# Allegro board RK3576_TEMPLATE_LP4XD200P132SD6_24X34_2133MHz_H1R0_V11_20240529YWQ.brd (continued)
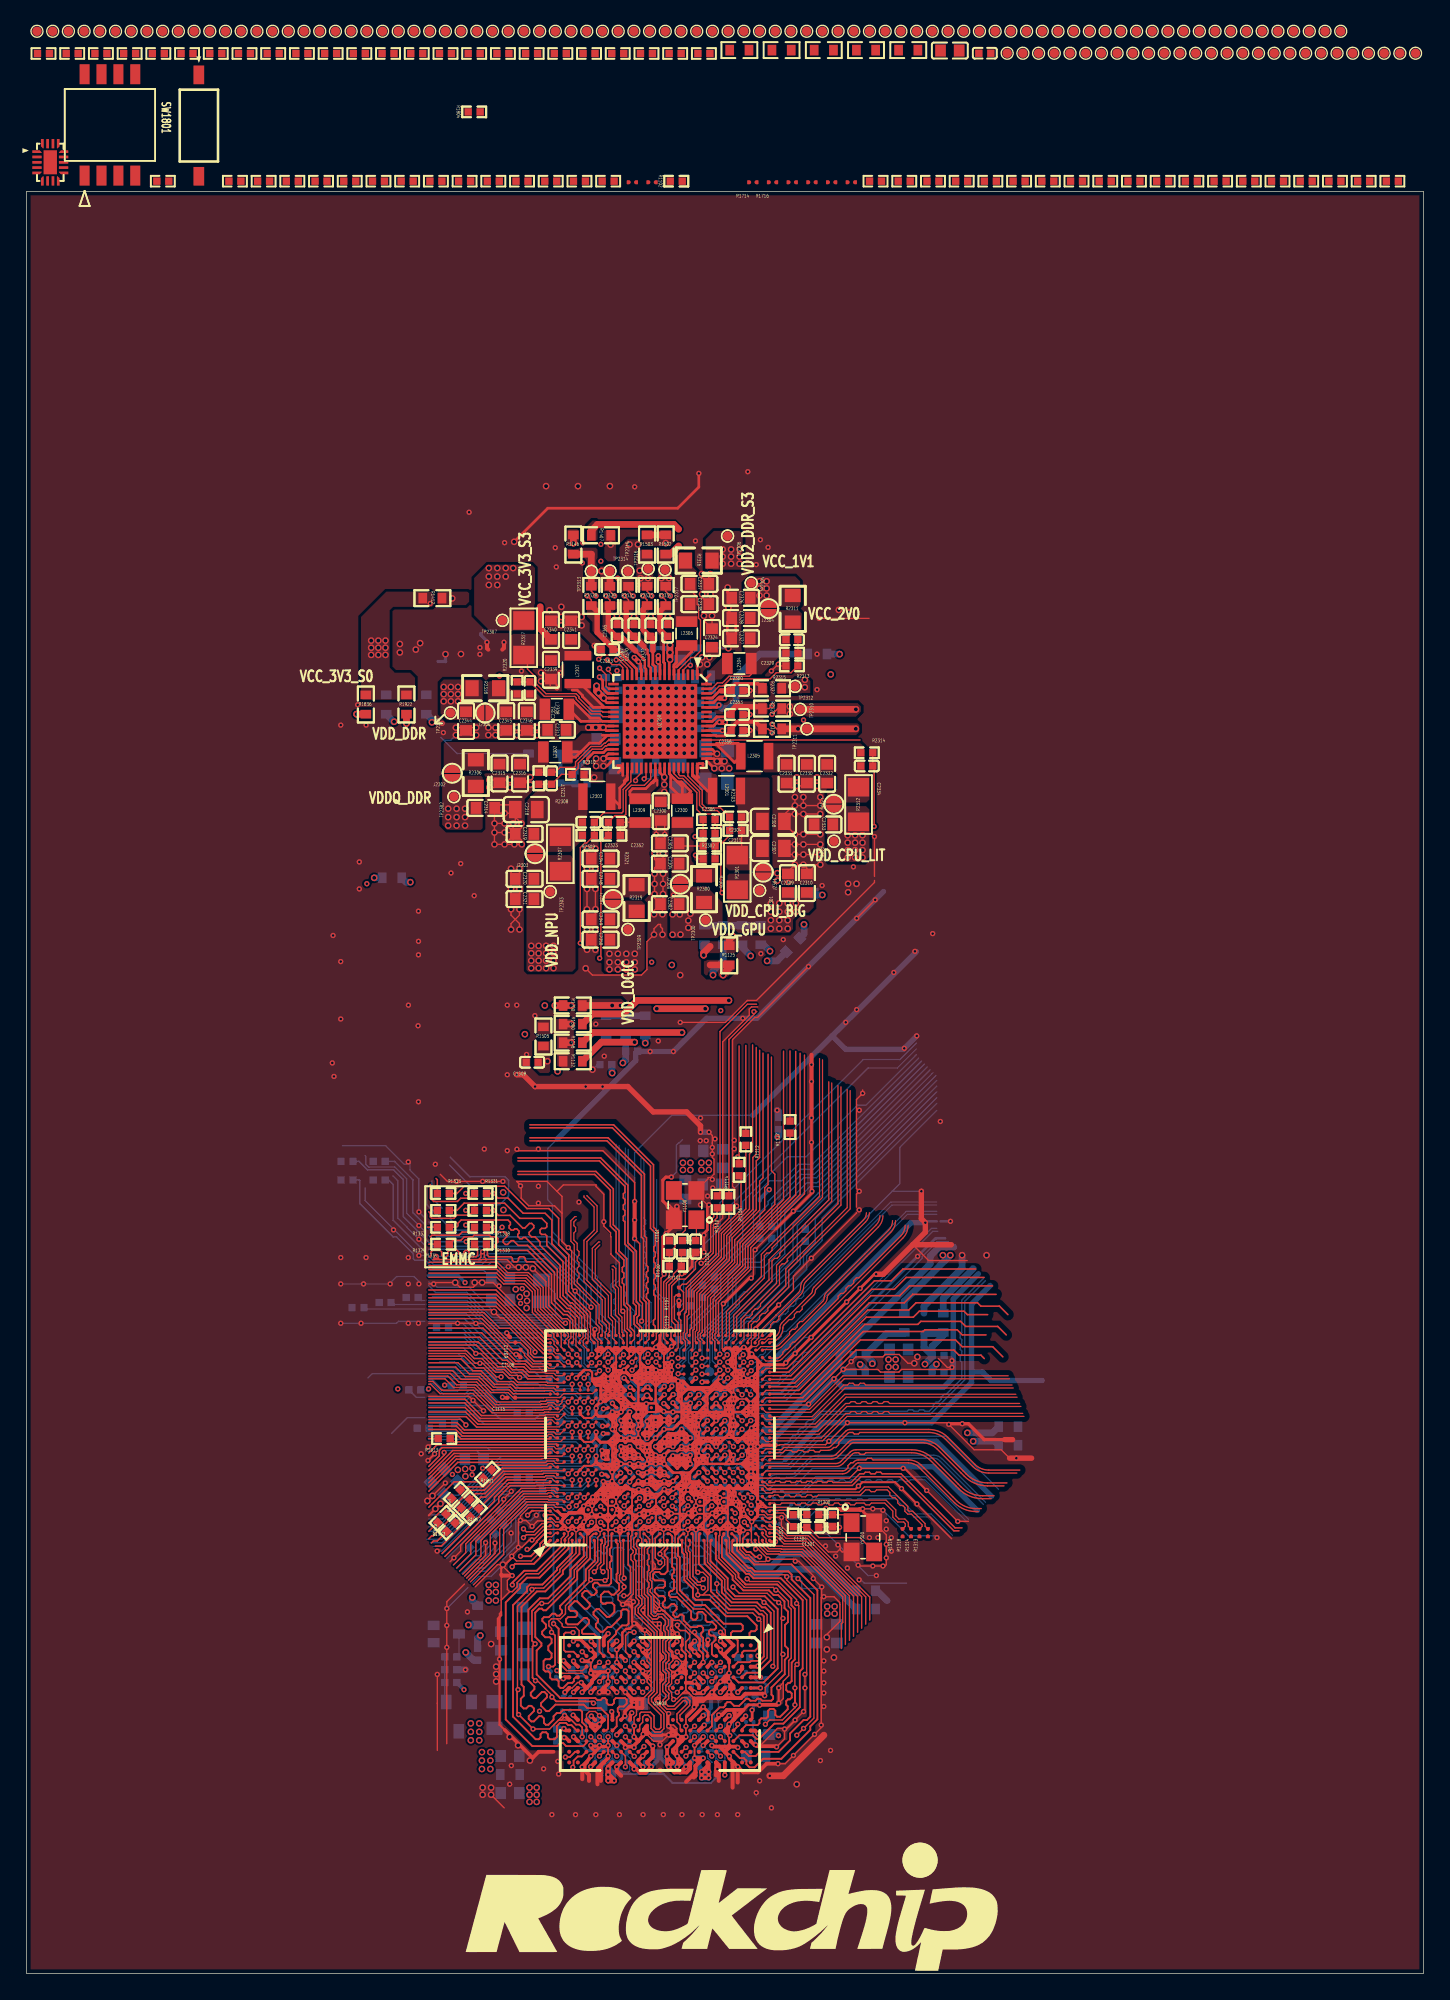
[diagram p0: board, top side]
## Routing (per net, layer and track width the routed paths; a pad name or vN(x,y) marks a point on that pad's centre or on a via; arc(x,y) is an arc through that point)
GND: length 3252.4
  TOP w0.089: v1(53.39,57.7) 53.39,57.75 53.23,57.9 53.23,59.04 53.09,59.18 53.09,60.2 ; U1000.G29 42.67,47.79 42.96,47.51 42.96,47.12 43.02,47.05 ; U1000.2P12 U1000.2R12 ; v1(41.33,33.36) 41.31,33.34 41.31,32 ; U3800.N4 46.65,22.58 46.81,22.74 ; U1000.B5 39.75,34.76 39.49,35.03 39.22,35.03 39.18,34.98 ; 48.51,24.26 48.51,24.1 ; 48.51,24.26 48.6,24.17 U3800.K2 ; 48.51,24.26 48.34,24.43 ; U1000.AJ29 54.77,47.86 54.49,47.58 54.49,47.13 54.87,47.13 55.06,47.31 55.06,47.52 55.21,47.68 55.5,47.68 55.78,47.96 U1000.AL29 ; U1000.1D1 42.13,32.96 42.13,32 ; 52.31,48.39 52.31,46.98 U1000.1AA24 ; 43.91,54.08 43.94,54.11 43.94,55.37 43.91,55.4 43.91,55.67 ; v1(56.76,34.28) 56.76,34.28 56.76,33.63 57.15,33.24 ; 45.8,45.03 45.25,45.03 ; v1(43.13,33.36) 43.13,32.97 42.94,32.78 42.94,32 ; v1(62.87,34.92) v1(63.63,34.92) 63.64,34.94 64.27,34.94 64.28,34.92 ; v1(51.79,56.22) 51.79,56.23 52.34,56.79 52.34,59.31 ; 51.69,60.09 51.44,59.84 51.24,59.84 51.24,59.74 Y1100.2 50.8,58.43 50.8,58.17 51.19,57.78 v1(51.31,57.78) ; U1000.2T11 U1000.2U11 ; 55.2,17.16 55.12,17.08 ; 38.23,46.9 v1(38.23,46.71) ; 51.56,62.48 v1(51.56,62.1) ; U1000.2J5 U1000.2H5
  TOP w0.102: v1(36.98,32.03) 36.98,33.9 v1(37.13,34.06) ; v1(36.98,32.03) 37.24,32.03 37.79,32.58 v1(38,32.58) 38.12,32.58 38.92,33.38 40.15,33.38 ; v1(36.98,32.03) 36.98,31.91 36.6,31.53 36.6,31.49 v1(36.48,31.36) 36.83,31.01 37.95,31.01 38.96,32.03 v1(38.96,32.16) ; 47.31,26.09 47.63,25.77 47.63,25.53 ; 47.31,26.09 46.99,26.41 ; 47.31,26.09 47.4,26.09 v1(47.58,26.28) ; v2(57.77,87.8) 57.65,87.8 56.98,87.14 C2308.2 ; v2(57.77,87.8) v2(57.77,88.44) ; v2(57.77,87.8) v2(58.41,87.8) ; v1(42.42,29.59) 42.29,29.72 42.29,30.29 42.94,30.95 42.94,32 ; v1(42.42,29.59) 43.44,29.59 v1(43.49,29.54) 43.56,29.54 43.73,29.72 43.73,30.3 43.63,30.41 43.63,32.08 43.73,32.18 43.73,33.23 ; v1(42.42,29.59) 42.42,29.54 40.52,27.64 40.52,27.04 40.14,26.66 39.88,26.66 ; v2(32.28,93.66) 32.84,93.66 C2344.2 ; v2(36.42,81.53) 36.42,81.09 C2321.2 37.06,81.09 v2(37.06,81.53) ; v1(53.12,29.05) 53.59,28.58 55.69,28.58 56.23,28.04 56.4,28.04 56.55,27.88 v1(56.55,27.88) 56.77,27.66 56.77,26.8 v1(56.87,26.69) 56.77,26.59 56.77,24.1 v1(56.87,23.99) 56.79,23.91 56.79,22.75 55.54,21.5 55.54,21.07 55.5,21.03 v1(55.5,20.88) ; v2(38.38,93.66) 37.82,93.66 C2346.2 ; 56.55,20.27 v1(56.55,20.32) 56.9,20.66 56.9,21.86 ; U1000.1H1 44.6,33.03 44.6,32.45 44.67,32.38 44.67,31.82 44.66,31.81 44.66,30.01 44.58,29.92 44.58,29.57 44.92,29.23 v1(44.92,29.06) ; C2348.2 42.14,81.97 v2(42.14,81.53) v2(42.14,80.01) 42.14,79.57 C2349.2 42.77,79.56 v2(42.77,80.01) v2(42.77,81.53) 42.77,81.98 C2348.2 ; C2348.2 42.14,82.61 v2(42.14,83.05) ; C2348.2 42.77,82.61 v2(42.77,83.05) ; C2344.2 33.39,93.1 v2(33.81,93.1) ; C2344.2 33.25,93.66 v2(33.81,93.66) ; C2344.2 32.69,93.1 v2(32.28,93.1) ; v1(56.39,17.03) 56.99,17.63 v1(56.99,18.37) 56.96,18.37 56.92,18.41 56.45,18.41 55.2,17.16 ; 46.25,32.11 46.1,32.26 46.25,32.41 ; 46.25,32.11 46.25,28.43 46.49,28.19 46.49,27.66 ; 46.25,32.11 46.25,32.15 ; C2339.2 39.37,97.26 ; C2339.2 38.95,97.79 v2(38.68,97.79) ; C2339.2 39.88,96.86 v1(39.88,96.65) ; 39.37,97.26 39.27,97.16 v2(38.68,97.16) ; 39.37,97.26 39.37,96.65 ; 47.52,20.66 47.43,20.57 47.24,20.57 ; 47.52,20.66 47.57,20.66 ; 47.52,20.66 47.52,20.21 ; U1000.1W1 51.2,33.03 51.2,30.91 52.5,29.61 52.5,28.78 53.14,28.14 55.2,28.14 v1(55.45,27.89) 55.56,27.78 55.65,27.78 56.2,27.23 56.2,23.19 56.11,23.1 v1(56.11,23.09) ; v2(37.87,89.93) 37.46,89.52 ; 37.46,89.52 C2316.2 ; 37.46,89.52 37.72,89.52 v2(37.87,89.37) ; C2330.2 58.46,89.28 v2(57.91,89.28) 57.78,89.15 57.49,89.15 C2331.2 ; v2(42.14,76.96) 42.14,77.4 C2350.2 ; 31.9,53.67 v1(32.13,53.91) 32.37,53.67 ; 31.9,53.67 31.04,53.67 ; 31.9,53.67 32.37,53.67 ; 31.04,53.67 30.57,53.67 v1(30.8,53.91) 31.04,53.67 ; 61.17,31.92 61.17,32.11 61.07,32.22 v1(61,32.22) ; 61.17,31.92 60.94,31.69 60.29,31.69 58.87,33.11 57.27,33.11 57.15,33.24 ; 61.17,31.92 61.17,31.83 61.32,31.69 Y1300.2 ; v1(47.58,27.38) 47.58,27.65 ; v1(47.58,27.38) 47.17,27.79 ; v1(47.58,27.38) 47.53,27.38 ; 47.58,27.65 47.17,28.07 ; 47.58,27.65 47.58,27.99 47.17,28.41 ; 43.73,33.23 43.85,33.35 ; 43.73,33.23 43.61,33.36 ; 43.85,33.35 43.84,33.35 43.73,33.47 43.61,33.36 43.61,33.36 ; 43.85,33.35 44.32,33.35 v1(44.33,33.36) ; 47.63,25.53 47.75,25.53 47.81,25.59 ; 47.63,25.53 47.63,25.4 ; 34.59,53.67 36.12,53.67 36.7,53.09 v2(37,53.09) v2(37.54,53.09) ; 34.59,53.67 34.42,53.85 34.42,54.13 v1(34.29,54.25) 34.16,54.13 34.16,53.85 33.99,53.67 ; 34.59,53.67 33.99,53.67 ; 50.25,40.56 50.25,39.96 ; v1(37.13,34.06) 37.13,34.39 37.76,35.02 38.7,35.02 38.73,34.98 39.18,34.98 ; v1(37.13,34.06) 37.56,34.06 v1(38,33.61) 38.01,33.61 38.31,33.91 38.31,33.92 38.42,34.02 39.01,34.02 39.12,34.13 39.12,34.13 39.13,34.13 39.3,34.13 U1000.A4 39.5,34.21 39.77,33.93 40.15,33.93 ; v1(44.83,27.74) 45.03,27.94 ; 45.03,27.94 45.44,28.35 ; 45.03,27.94 v1(45.63,27.94) 45.44,28.12 45.44,28.35 ; 48.6,23.67 48.74,23.67 49.01,23.67 49.01,23.67 ; 48.6,23.67 48.6,23.53 48.3,23.22 48.3,22.92 48.5,22.71 ; 48.6,23.67 U3800.K2 ; 46.25,32.41 46.25,32.67 46.13,32.8 46.13,33.36 46.1,33.33 45.63,33.33 45.52,33.22 ; 46.25,32.41 46.25,32.36 ; 55.05,35.03 57.38,35.03 57.5,34.91 60.06,34.91 v1(60.11,34.96) ; C2350.2 42.14,78.04 v2(42.14,78.48) ; C2350.2 42.77,78.04 v2(42.77,78.48) ; C2350.2 42.77,77.41 v2(42.77,76.96) ; v1(42.52,35.16) 41.93,35.16 ; 49.01,23.67 48.91,23.77 ; 49.01,23.67 49.23,23.45 ; v1(48.92,25.52) 48.78,25.52 ; v1(48.92,25.52) 48.57,25.87 ; v1(48.92,25.52) 48.47,25.06 ; 48.78,25.52 48.72,25.52 ; 48.78,25.52 48.47,25.83 ; 47.36,20.37 47.47,20.47 v1(47.48,20.47) 47.48,20.5 47.53,20.55 47.53,20.58 47.58,20.63 ; 47.36,20.37 47.24,20.48 47.24,20.57 ; 47.36,20.37 47.52,20.21 ; v1(64.39,34.82) 64.28,34.92 ; C2319.2 37.21,86.14 v2(37.21,86.46) 36.75,86.93 ; C2319.2 36.58,85.84 v2(36.58,86.46) 36.75,86.63 36.75,86.93 ; C2319.2 36.73,85.67 ; C2319.2 37.21,85.21 37.21,84.91 v2(37.24,84.89) v2(36.68,84.89) 36.63,84.89 ; C2319.2 36.72,85.65 ; 47.75,22.45 47.65,22.45 47.63,22.48 ; 47.75,22.45 47.75,22.08 ; 47.75,22.45 47.87,22.45 ; v1(34.52,32.38) 34.52,31.44 32.94,29.86 ; v2(35.94,84.89) 36.63,84.89 ; v2(35.94,84.89) v2(35.18,84.89) v2(35.18,85.78) ; v2(35.94,84.89) 36.73,85.67 36.73,85.67 ; 36.63,84.89 36.58,84.94 36.58,85.5 36.72,85.65 ; 48.72,25.52 48.47,25.27 ; 48.72,25.52 48.48,25.52 48.47,25.53 ; 70.82,33.99 v1(70.01,33.99) 67.77,36.23 ; v2(35.94,87.22) 36.49,87.22 36.75,87.48 ; v2(35.94,87.22) 35.6,87.22 C2314.2 ; v2(35.94,87.22) v2(35.94,86.46) ; 36.74,79.25 36.42,79.57 v2(36.42,80.01) ; 36.74,79.25 37.06,79.56 v2(37.06,80.01) ; 36.74,79.25 37.06,78.93 v2(37.06,78.48) ; 36.74,79.25 36.42,78.93 v2(36.42,78.48) ; v1(41.71,21.87) 41.43,21.87 41.02,21.46 U3800.AB5 ; 42.13,32 42.13,31.27 41.18,30.33 41.18,29.78 39.21,27.81 v1(38.73,27.81) ; 49.55,39.31 48.95,39.31 ; v1(38.26,22.01) 38.4,22.01 39.5,20.91 v1(39.5,20.78) ; 47.81,25.4 47.81,25.59 ; 47.81,25.4 47.63,25.4 ; 47.81,25.4 47.81,25.33 47.63,25.15 ; 47.81,25.59 47.69,25.71 47.69,26.17 v1(47.58,26.28) ; 46.97,24.87 46.97,23.54 ; 46.48,26.92 46.48,27.17 46.35,27.3 ; 46.48,26.92 46.35,27.04 46.35,27.3 ; 46.48,26.92 46.99,26.41 ; v1(45.72,58.04) 45.72,59.46 43.33,61.86 36.98,61.86 v1(36.87,61.96) 36.86,61.98 36.86,61.95 ; 47.17,27.21 47.27,27.11 47.37,27.21 ; 47.17,27.21 47.37,27.21 ; 47.17,27.21 47.17,27.56 ; 45.52,33.22 45.52,32.95 45.44,32.87 45.44,31.96 45.61,31.78 45.61,31.64 45.44,31.47 45.44,31.11 45.61,30.94 45.61,28.52 45.44,28.35 ; 45.52,33.22 45.52,33.35 45.53,33.36 ; 35.69,27.18 35.69,28.07 ; 35.69,28.07 35.69,29.97 ; 35.69,28.07 36.32,28.7 36.15,28.87 36.15,29.55 v1(36.51,29.91) 36.16,30.26 35.83,30.59 ; 63.75,82.17 63.75,82.02 54.88,73.15 54.2,73.15 52.54,71.5 v1(49.15,71.5) ; v2(38.38,93.1) 37.97,93.1 C2346.2 ; C2315.2 35.35,89.73 v2(34.8,89.73) ; C2315.2 35.91,89.17 v2(36.35,89.17) ; C2315.2 35.2,89.17 v2(34.8,89.17) ; C2315.2 35.76,89.73 v2(36.35,89.73) ; v1(46.24,49.05) 46.31,49.12 46.31,50.38 46.1,50.59 46.1,54.86 v1(45.72,55.25) ; 30.24,47.02 33.38,47.02 v1(33.78,46.61) 34.14,46.61 35.34,45.4 35.91,45.4 36.35,44.96 36.91,44.96 v1(37.07,44.8) ; v1(47.58,26.28) 47.45,26.41 46.99,26.41 ; 48.5,22.61 48.92,22.61 v1(48.92,22.61) 48.82,22.71 48.5,22.71 ; 48.5,22.61 48.5,22.71 ; 48.5,22.61 48.5,22.36 U3800.K4 48.5,22.16 48.5,21.79 48.28,21.57 48.28,21.35 48.5,21.13 48.5,20.82 48.65,20.67 v1(48.65,20.6) 48.7,20.65 48.9,20.65 49.34,21.08 49.36,21.08 ; U3800.Y8 42.1,19.48 42.32,19.7 42.76,19.7 v1(43.07,19.39) ; 47.06,30.96 47.06,30.29 ; 47.06,30.96 47.27,30.75 47.27,30.49 47.17,30.39 ; 47.06,30.96 47.06,33.03 U1000.1M1 ; 47.06,30.29 46.88,30.11 46.88,29.59 47.01,29.47 47.01,28.98 46.88,28.86 46.88,28.69 47.17,28.41 ; 47.06,30.29 47.17,30.39 ; 47.63,25.15 47.63,25.4 ; 47.63,25.15 47.63,24.08 ; C2346.2 37.26,93.1 v2(36.85,93.1) ; C2346.2 37.06,93.46 v2(36.85,93.66) ; 40.26,57.15 40.26,58.42 39.88,58.8 ; 40.26,57.15 40.26,55.04 v1(40.73,54.57) 40.98,54.31 40.98,51.54 41.22,51.3 v1(41.25,51.3) 41.25,51.28 42.44,50.09 v1(42.44,50.09) ; 40.26,57.15 39.7,57.71 37.76,57.71 37.19,58.28 37.19,59.18 37.16,59.2 v1(37.14,59.2) 37.16,59.23 37.16,59.23 36.85,59.54 39.14,59.54 39.88,58.8 ; 47.73,23.98 47.63,24.08 ; 47.73,23.98 47.86,23.85 47.86,23.7 47.63,23.47 ; 47.73,23.98 47.73,23.6 47.63,23.5 ; 47.63,24.08 47.63,23.5 ; 48.91,23.77 48.82,23.86 U3800.K2 ; 48.91,23.77 48.69,23.77 U3800.K2 ; 45.88,19.97 45.86,19.94 45.86,19.44 45.68,19.26 45.68,18.61 v1(45.69,18.6) ; U1000.2K5 49.6,39.31 50.2,39.31 U1000.2L5 ; v1(58,29.68) 59.2,28.48 59.2,19.19 v1(58.42,18.41) ; v2(42.14,84.56) 42.14,84.14 C2347.2 42.77,84.13 v2(42.77,84.56) ; v1(36.44,36.25) 35.88,35.68 v1(35.88,35.64) 35.86,35.63 35.86,35.42 32.64,32.19 32.64,31.75 v1(32.13,31.24) 31.85,30.96 ; v1(39.04,48.1) 38.92,48.1 35.08,51.94 v2(34.25,51.94) v2(33.69,51.94) 33.69,51.69 33.59,51.59 32.58,51.59 v2(32.23,51.94) 30.71,51.94 v1(30.61,51.84) 30.24,51.84 ; 32.37,53.67 33.99,53.67 ; 49.72,33.36 v1(49.73,33.36) ; 49.72,33.36 49.72,32.96 49.55,32.79 49.55,31.7 49.67,31.58 49.67,29.67 50.47,28.87 v1(50.47,28.46) 50.48,28.45 50.85,28.45 ; 49.72,33.36 49.28,33.36 ; v1(52.39,50.35) 52.39,50.3 52.31,50.22 52.31,48.39 ; 46.97,22.89 46.81,22.74 v1(46.33,22.74) ; 46.97,22.89 46.97,22.73 ; 46.97,22.89 46.97,23.17 ; v1(50.72,53.39) 50.85,53.39 51.64,54.18 51.64,56.07 v1(51.79,56.22) ; 30.35,39.75 v1(30.19,39.59) ; v1(61.41,45.41) 64.01,45.41 64.2,45.21 65.59,45.21 65.79,45.41 69.48,45.41 69.58,45.51 v1(69.58,45.56) 69.23,45.56 68.56,46.23 ; v1(61.41,45.41) v1(60.71,44.7) v1(58.8,42.8) 58.74,42.73 55.21,42.73 55.21,42.73 54.97,42.73 ; v1(61.41,45.41) v1(62,46) 62.36,46.36 64.39,46.36 64.57,46.53 65.61,46.53 66.27,45.87 v2(66.75,45.87) ; 46.13,45.36 46.72,45.36 v1(46.73,45.37) ; 36.73,85.67 v2(35.94,86.46) ; v2(35.94,86.46) v2(35.18,86.46) ; 46.31,20.62 46.97,21.28 46.97,21.59 ; 46.97,21.59 46.66,21.9 46.66,22.07 46.65,22.08 U3800.N4 ; 46.97,21.59 46.97,21.72 ; 38.23,46.9 35.85,49.28 35.61,49.28 35.14,49.75 ; 47.75,22.08 47.65,22.08 47.63,22.1 ; 47.75,22.08 47.87,22.08 ; 55.63,31.24 55.63,31.28 54.99,31.91 54.85,31.91 54.84,31.91 v1(54.82,31.91) 54.82,32.09 54.5,32.41 54.5,33.2 ; C2341.2 41.23,101.98 v2(41.73,101.98) ; C2341.2 40.6,101.35 v2(40.21,101.35) 39.78,101.35 C2340.2 39.71,101.98 v2(40.21,101.98) 40.67,101.98 C2341.2 ; C2341.2 41.3,101.35 v2(41.73,101.35) ; v1(54.48,52.27) 54.65,52.44 54.65,54.28 54.77,54.4 v1(54.78,54.4) 54.78,54.41 56.35,55.98 ; 39.88,58.8 40.36,59.28 42.82,59.28 42.82,59.16 43.4,58.58 v1(43.4,56.52) 43.4,56.19 43.91,55.67 ; 47.37,27.21 47.53,27.38 ; 30.24,37.8 31.39,38.96 v1(31.39,39.17) ; v1(31.49,36.87) 30.52,35.9 v2(30.52,35.9) v2(30.14,35.52) 30.14,35.31 ; v1(39.47,25.65) 39.47,25.93 39.27,26.13 39.27,26.47 39.46,26.66 39.88,26.66 ; 47.57,20.66 47.58,20.65 ; 47.57,20.66 47.5,20.73 47.35,20.73 ; v1(48.28,18.59) 48.36,18.67 48.64,18.67 48.9,18.41 ; 35.14,49.75 34.99,49.89 30.24,49.89 ; 35.14,49.75 v2(35.14,49.73) ; v2(35.18,85.78) v2(35.94,85.78) 36.59,85.78 36.72,85.65 ; v2(35.18,85.78) v2(35.18,86.46) ; v1(43.13,33.36) 43.61,33.36 ; U1000.1M20 U1000.1L20 U1000.1K20 ; 48.9,18.41 48.74,18.26 U3800.K9 ; 48.9,18.41 48.9,17.87 ; 46.97,23.37 46.97,23.17 ; 46.97,23.17 46.65,23.49 U3800.N2 ; 36.75,86.93 36.75,87.48 ; v1(56,97.92) 56.38,98.3 R2315.2 ; 47.63,23.5 47.63,23.47 ; 47.58,20.63 47.63,20.68 ; 47.58,20.63 47.58,20.65 ; 47.63,20.68 47.63,20.77 ; 47.63,20.68 47.63,20.1 ; v1(40.72,33.36) 40.72,32.93 40.48,32.68 U1000.C1 ; 50.85,28.45 51.36,28.45 52.71,27.1 54.6,27.1 55.05,26.66 v1(55.05,26.63) 55.21,26.46 55.21,24.1 v1(54.99,23.88) ; 50.85,28.45 51.23,28.83 51.23,29.78 50.86,30.15 v1(50.47,30.15) 50.32,30.3 v1(50.32,33.36) ; 47.24,20.57 47.24,20.62 47.35,20.73 ; v2(47.81,79.63) 47.81,80.24 C2302.2 ; 47.17,30.39 47.65,30.39 47.98,30.72 47.98,31.13 47.62,31.48 v1(47.62,31.54) 47.62,31.71 47.96,32.04 47.96,32.33 47.9,32.38 47.9,33.36 47.9,33.36 v1(47.9,33.38) ; v1(53.88,33.31) 53.91,33.33 54.36,33.33 ; 46.49,27.66 46.49,27.45 v1(46.35,27.3) ; 46.49,27.66 46.35,27.52 v1(46.35,27.3) ; v2(35.18,86.46) 35.18,87.61 C2314.2 ; 54.75,41.91 54.15,41.91 U1000.2U9 ; 46.35,27.3 v1(46.35,27.3) ; 54.5,33.47 54.5,33.93 v1(54.53,33.96) ; 54.5,33.47 54.36,33.33 ; 54.5,33.47 54.5,33.2 ; C2304.2 47.67,83.56 47.85,83.75 v2(47.85,84.2) ; C2304.2 47.54,83.44 ; C2304.2 47.67,83.31 47.85,83.12 v2(47.85,82.67) v2(47.85,81.91) v2(47.85,81.15) 47.85,80.58 C2302.2 ; 47.53,27.38 47.35,27.38 47.17,27.56 ; 51.56,62.48 51.56,62.99 v1(51.31,63.25) ; 33.23,29.58 35.22,31.57 v1(35.22,32.36) ; C1304.2 59.89,33.54 60.08,33.73 ; 47.17,27.56 47.17,27.79 ; v2(60.17,25.27) 60.17,25.48 61.16,26.47 61.16,27.76 61.14,27.78 61.14,27.89 60.71,28.32 v1(59.94,28.32) ; 47.58,20.65 47.58,20.73 47.63,20.77 ; U1000.1D3 42.24,34.24 42.81,34.24 U1000.1E3 ; 54.36,33.33 54.5,33.2 ; v1(56.55,21.46) 56.55,21.51 56.9,21.86 ; C2302.2 47.18,79.9 v2(47.18,79.63) ; C2302.2 47.22,80.84 v2(47.22,81.15) v2(47.22,81.91) v2(47.22,82.67) 47.22,83.12 47.54,83.44 ; 32.92,29.27 31.6,27.95 v1(31.6,27.43) 31.59,27.43 v1(31.59,26.16) v1(31.59,24.51) 31.59,17.27 ; 39.88,26.66 40.27,26.26 40.27,26.12 40.38,26.02 41.29,26.02 41.54,25.76 41.54,25.42 ; 52.34,59.31 52.34,70.04 54.34,72.04 54.34,72.5 54.5,72.66 54.97,72.66 ; 47.63,20.1 47.52,20.21 ; 47.63,20.1 48.17,19.56 48.25,19.56 v1(48.28,19.53) ; v2(58.41,87.8) v2(59.68,87.8) v2(59.68,88.44) ; v2(58.41,87.8) v2(58.41,88.44) ; 42.99,38.29 42.9,38.2 42.57,38.2 ; v2(59.68,85.64) v2(58.41,85.64) v2(57.77,85.64) 56.98,86.44 C2308.2 ; v2(38.07,52.99) 39.05,52.01 39.05,50.14 40.3,48.89 v1(40.52,48.89) ; 47.17,27.79 47.17,28.07 ; 47.17,28.07 47.17,28.41 ; 48.47,25.27 48.47,25.06 ; 48.47,25.27 48.47,25.53 ; 48.47,25.06 48.3,24.89 48.3,24.47 ; v1(63.75,85.47) 63.75,82.48 ; 48.57,26.16 48.57,26.52 48.62,26.56 48.64,26.54 48.96,26.54 ; 48.57,26.16 48.57,25.87 ; 48.57,26.16 48.55,26.16 48.47,26.08 ; v1(56.5,15.76) 57.04,15.76 v1(57.66,16.38) v1(59.25,17.97) 59.75,18.48 v1(59.75,18.67) 59.75,28.26 59.79,28.29 v1(59.79,29.05) v1(59.15,29.69) 59.15,29.9 58.07,30.99 v1(57.8,30.99) ; U1000.1AC1 53.64,33.05 53.64,31.89 54.07,31.46 54.31,31.46 54.8,30.97 55.55,30.97 55.73,31.14 ; v2(50.78,105.21) 50.78,104.99 C2337.2 51.29,105.09 v2(51.41,105.21) ; v1(56.55,50.26) 57.66,51.37 57.66,52.42 v1(59.01,53.77) 62.4,57.17 62.4,57.2 ; v2(35.81,30.73) 35.41,30.73 33.74,29.06 ; 48.47,25.83 48.53,25.83 48.57,25.87 ; 48.47,25.83 48.41,25.89 48.41,26.02 48.47,26.08 ; 48.47,25.83 48.47,25.53 ; v1(30.88,22.48) 30.88,20.32 30.88,20.32 30.88,16.76 ; 59.36,83.36 v2(59.68,83.36) ; 59.36,83.36 C2310.2 58.67,83.1 v2(58.41,83.36) ; 59.36,83.36 v2(58.41,83.36) ; R2305.2 50.58,83.79 v1(50.29,84.07) ; 56.9,21.86 56.9,21.97 57.31,22.38 57.31,23.52 57.49,23.71 57.49,27.38 57.28,27.59 57.28,27.98 56.45,28.82 v1(56.34,28.82) 56.14,29.02 53.98,29.02 53.31,29.7 53.31,29.97 52.06,31.22 52.06,32.88 52.12,32.95 52.12,33.36 ; U1000.2B8 44.35,41.21 44.35,40.61 44.38,40.58 ; 46.65,18.01 46.65,17.96 47.16,17.45 47.79,17.45 v1(48.28,17.94) ; 53.09,60.2 53.09,61.59 53.09,70.21 54.76,71.88 54.97,71.88 v1(58.79,75.7) ; 66.64,54.79 67.83,53.59 70.73,53.59 ; 30.24,48.88 v1(32.41,48.88) 33.77,48.88 v1(33.78,48.87) 34.31,48.87 36.64,46.54 v1(36.8,46.54) ; 41.54,25.42 41.54,25.22 41.64,25.12 ; 41.54,25.42 41.25,25.12 ; 47.63,22.69 47.63,23.47 ; 47.63,22.69 47.63,22.48 ; 47.63,22.69 47.87,22.45 ; Y1300.4 64.64,32.97 v1(64.64,32.26) v1(64.64,31.24) 64.64,30.73 64.54,30.63 v1(64.39,30.63) v1(63.63,30.63) 62.59,30.63 v1(62.53,30.69) ; 47.63,22.48 47.63,22.1 ; U1000.1R1 48.76,32.99 48.76,31.31 48.9,31.17 48.9,28.66 50.15,27.4 50.94,27.4 52.54,25.8 52.54,25.27 ; v1(59.6,101.87) 63.34,101.87 ; v1(57.77,21.46) 57.77,23.07 v1(57.93,23.23) 58.06,23.36 58.06,27.65 v1(57.9,27.81) 57.9,28.1 56.54,29.46 54.38,29.46 v1(54.17,29.67) ; 54.97,37.14 55.07,37.23 61.87,37.23 v1(62.61,37.97) v1(65.91,37.97) ; 49.23,23.45 49.4,23.45 49.57,23.62 ; 49.23,23.45 49.25,23.43 U3800.J3 ; 36.75,87.48 C2318.2 36.72,87.5 36.37,87.86 35.42,87.86 C2314.2 ; 47.63,21.01 47.35,20.73 ; 47.63,21.01 47.63,21.84 ; 47.63,21.01 47.63,20.77 ; 47.87,22.08 47.63,21.84 ; 47.87,22.08 47.87,22.45 ; 47.63,21.84 47.63,22.1 ; 44.32,39.34 44.32,39.88 U1000.2B6 44.45,40.01 44.95,40.01 U1000.2C6 ; C2308.2 57.54,87.17 v2(57.77,87.17) v2(58.41,87.17) v2(59.68,87.17) ; v2(34.72,93.66) v2(35.25,93.66) 35.86,93.66 C2345.2 35.71,93.1 v2(35.25,93.1) v2(34.72,93.1) ; 60.08,33.73 v1(60.08,33.76) ; 60.08,33.73 60.27,33.54 60.56,33.54 C1301.2 61.07,33.59 v1(61.13,33.53) ; U3800.K2 48.51,23.95 48.51,24.1 48.3,24.32 48.3,24.47 ; v1(35.68,44.84) 35.33,44.84 34.3,45.87 v1(34.09,45.87) 33.73,45.87 33,46.61 30.24,46.61 ; C2309.2 57.25,82.83 v2(57.77,83.36) v2(58.41,83.36) ; v1(62.41,79.32) v1(63.81,80.72) ; v1(54.99,23.11) 55.07,23.11 55.68,23.72 55.68,26.97 55.37,27.27 55.19,27.27 54.82,27.64 52.9,27.64 51.9,28.65 v1(51.9,29.3) ; U1000.AL8 55.71,36.41 55.44,36.68 55.39,36.68 55.39,36.68 55.05,36.68 55.05,36.68 54.88,36.68 54.88,36.68 U1000.2V1 ; v1(55.55,18.73) 55.87,19.05 56.83,19.05 57.77,19.99 ; 43.91,54.08 44.58,53.42 44.58,51.72 44.7,51.6 44.7,49.91 v1(44.83,49.78) 44.96,49.65 44.96,48.36 45.15,48.17 45.15,46.93 ; 48.47,26.08 48.47,26.71 ; v2(59.68,84.12) v2(58.41,84.12) v2(57.77,84.12) 57.44,84.12 C2307.2 57.28,84.88 v2(57.77,84.88) v2(58.41,84.88) v2(59.68,84.88) ; 47.54,83.44 47.22,83.76 v2(47.22,84.2) ; 62.87,66.42 v1(62.87,66.17) 62.4,65.7 62.4,59.01 v1(62.61,58.8) 62.4,58.59 62.4,57.61 ; v1(47.93,52.58) 47.93,52.51 47.7,52.27 47.7,48.03 U1000.T29 ; v1(33.03,41.24) 33.03,41.25 32.63,41.65 30.24,41.65 ; v2(58.41,83.36) 58.41,83.31 ; 44.32,39.23 44.32,38.69 ; 52.72,33.36 52.72,32.88 52.85,32.76 52.85,31.61 54.2,30.26 54.42,30.26 54.7,29.97 57.01,29.97 v1(57.15,29.83) 57.15,29.58 58.65,28.08 58.65,22.61 v1(58.53,22.48) v1(58.53,21.46) 58.53,19.79 v1(58.42,19.68) v1(57.78,19.05) ; 48.3,24.47 48.34,24.43 ; 46.97,25.32 46.97,25.54 46.7,25.8 v1(46.48,25.8) ; 46.25,32.36 46.25,32.15 ; 46.25,32.36 46.35,32.26 46.25,32.15 ; 41.31,32 41.31,31.6 40.1,30.39 40.1,30.19 38.88,28.96 38.27,28.96 38.26,28.96 38.09,28.96 v1(38,28.87) 38,28.69 36.91,27.6 36.91,21.38 v1(36.96,21.34) ; v2(51.54,102.07) 51.54,101.11 C2324.2 50.93,101.71 v2(50.93,102.07) ; 30.99,31.87 v1(30.87,31.75) ; 44.03,36.98 43.43,36.98 ; v1(51.56,62.1) v1(51.56,61.61) 51.56,61.34 51.69,61.21 51.69,60.09 ; 46.3,38.01 45.7,38.01 ; 30.24,43.39 33.26,43.39 v1(33.57,43.08) v1(34.35,42.3) ; v2(36.42,83.05) 36.42,82.61 C2320.2 37.06,82.61 v2(37.06,83.05) ; v1(49.27,52.6) 49.14,52.6 48.31,51.77 48.31,48.59 v1(48.44,48.46) 48.45,48.44 48.45,47.69 ; U1000.1E3 U1000.1E2 ; U1000.1E3 U1000.1F3 ; v2(47.81,78.1) 47.81,78.55 47.67,78.7 47.67,78.87 47.5,78.87 47.18,78.55 v2(47.18,78.1) 46.65,77.57 46.65,75.48 46.23,75.06 42.55,75.06 v2(42.04,75.56) ; v1(56.76,34.28) 56.76,34.28 55.95,34.28 U1000.AL4 55.71,34.21 55.44,34.48 55.05,34.48 54.97,34.4 ; 31.11,60.08 31.64,59.54 v1(32.33,59.54) v1(34.29,59.54) v1(35.81,59.54) ; v1(56.26,39.71) 56.6,39.71 56.64,39.75 60.07,39.75 v1(60.32,40.01) v1(61.72,41.4) v1(66.04,41.4) 69.22,41.4 v1(69.34,41.27) 71.25,39.37 73.28,39.37 73.91,38.73 ; U1000.1AC3 53.61,34.25 53.61,33.67 U1000.1AC2 ; v2(51.42,103.7) 51.42,103.07 C2338.2 50.79,103.45 v2(50.79,103.7) ; 54.15,39.26 54.15,38.66 ; 35.91,12.45 v2(34.92,13.43) ; 44.35,41.26 44.35,41.86 ; 46.97,21.94 46.97,22.58 ; 54.2,34.28 53.65,34.28 ; 45.05,42.56 45.65,42.56 ; 47.35,85.28 C2305.2 47.98,85.28 v1(47.98,85.65) 47.98,86.38 C2300.2 47.35,86.35 v1(47.35,85.65) 47.35,85.28
  TOP w0.107: v1(50.23,25.65) 50.18,25.6 50.03,25.6 49.09,26.54 48.96,26.54 ; 39.66,18.7 39.33,18.37 v1(38.08,18.37) ; 39.66,18.7 40,19.05 40.2,19.05 ; 39.66,18.7 40.34,19.39 v1(40.45,19.39) 40.45,19.3 40.2,19.05 ; 55.63,31.24 55.73,31.14 55.75,31.14 v1(55.75,31.14) 55.75,31.14 57.65,31.14 v1(57.8,30.99) ; 40.2,19.05 40.79,19.05 U3800.AB8 ; 36.32,28.7 36.52,28.7 36.88,29.07 36.88,29.38 37.56,30.05 38.5,30.05 40.48,32.02 U1000.C1 ; v1(58.42,18.41) v1(57.91,17.91) ; 35.69,27.18 35.56,27.05 35.56,18.69 35.56,18.69 ; v1(44.83,27.74) 44.48,28.09 44.48,28.47 44.92,28.91 v1(44.92,29.06) ; 69.55,32.68 v1(66.94,35.29)
  TOP w0.114: 46.79,24.34 46.51,24.34 ; 46.79,24.34 46.65,24.19 ; 46.79,24.34 46.97,24.51 ; 46.51,24.34 v1(46.33,24.34) ; 46.51,24.34 46.65,24.19 ; U3800.N2 46.97,24.18 ; U3800.N2 46.97,23.54 46.97,23.37 ; U3800.N2 46.65,24.19 ; U3800.N4 46.97,21.94 46.97,21.72 ; U3800.N4 46.97,22.58 46.97,22.73 ; U3800.N4 46.93,22.26 46.97,22.23 ; 46.48,25.36 v1(46.48,25.8) 46.97,25.32 46.97,24.87 46.48,25.36
  TOP w0.127: v1(39.5,20.78) 39.82,20.45 42.01,20.45 42.01,20.45 42.49,20.45 v1(42.62,20.32) ; 49.57,21.3 49.57,21.3 49.36,21.08 49.79,21.08 ; 49.57,21.3 49.57,22.51 ; 49.57,21.3 49.79,21.08 ; U3800.AB8 40.96,19.06 41.31,18.7 41.57,18.7 41.77,18.5 v1(41.77,17.79) ; v1(39.24,23.07) 39.61,23.07 39.74,23.2 39.74,25.41 39.5,25.65 v1(39.47,25.65) ; v1(38.08,18.37) v1(37,19.46) 36.88,19.57 36.88,21.19 36.96,21.26 v1(36.96,21.34) ; 49.79,21.08 50.2,20.67 ; 49.63,19.32 49.58,19.27 v1(49.58,18.59) v1(49.58,17.79) ; v1(38.26,22.01) 38.04,22.23 38.04,24.58 v1(38.24,24.78) 38,25.02 38,27.25 38.1,27.35 38.57,27.81 v1(38.73,27.81)
  TOP w0.14: 45.53,36.36 45.53,33.36 ; v1(49.77,34.6) 50.28,34.6 v1(50.28,34.6) ; 52.72,33.36 51.52,33.36 ; 52.72,33.36 52.72,35.16 ; 52.72,33.36 v1(53.32,33.36) ; U1000.1L6 U1000.1M6 U1000.1N6 ; U1000.1F5 U1000.1F6 ; U1000.1F6 U1000.1E6 U1000.1E5 ; U1000.1F6 U1000.1G6 ; v1(50.32,35.76) v1(50.32,35.16) 50.32,34.65 v1(50.28,34.6) ; v1(50.32,35.76) 50.32,36.24 v1(50.52,36.44) ; v1(50.32,35.76) 50.92,35.76 ; 52.72,35.16 52.72,35.76 ; 52.72,35.16 v1(52.12,35.16) ; 52.72,35.76 v1(52.12,35.76) ; 52.72,35.76 52.72,36.58 ; 53.32,35.76 53.32,36.18 53.15,36.36 ; v1(52.12,35.16) v1(52.12,35.76) ; v1(52.12,35.16) 52.12,34.66 v1(52.12,34.65) ; v1(52.12,35.76) 50.92,35.76 ; 45.53,33.36 v1(44.93,33.36) v1(44.33,33.36) ; 45.53,33.36 45.55,33.33 45.63,33.33 ; v1(42.48,34.52) 41.96,34.52 41.96,34.02 41.91,33.97 v1(41.91,33.95) ; U1000.1H4 U1000.1H3 ; U1000.1T6 49.4,36.03 49.4,35.48 ; v1(47.9,33.38) 47.87,33.36 46.82,33.36 ; v1(49.73,33.36) 50.32,33.36 ; 49.13,34.56 49.13,33.96 49.13,33.36 ; 49.13,34.56 48.53,34.56 48.51,34.58 v1(48.48,34.58) ; 49.13,34.56 49.72,34.56 ; 49.13,34.56 49.13,36.3 49.16,36.33 ; v1(53.32,35.69) 53.32,35.26 v1(53.33,35.25) 53.31,35.22 52.79,35.22 ; 44.33,45.36 44.33,46.56 ; 49.13,33.36 49.28,33.36 ; 49.12,33.36 v1(48.53,33.36) 47.92,33.36 ; 42.52,35.76 v1(42.52,35.16) ; 46.68,34.51 46.17,34.51 ; 47.68,33.61 48.17,33.61 ; 40.15,33.38 40.17,33.36 v1(40.72,33.36) v1(41.32,33.36) v1(43.13,33.36) ; v1(50.28,34.6) 50.33,34.55 50.92,34.55 50.92,34.56 ; U1000.1AC5 U1000.1AC4 ; 46.45,34.83 47,34.83 ; U1000.1N4 U1000.1M4 ; U1000.1N2 U1000.1M2 ; 46.13,33.36 46.82,33.36 ; 46.82,33.36 v1(46.77,33.31) ; 50.92,33.36 51.44,33.36 v1(51.48,33.32) ; 50.92,33.36 50.92,34.56 ; 50.92,33.36 v1(50.32,33.36) ; U1000.1K6 45.88,36.11 46.37,36.11 ; v1(47.95,36.4) 47.98,36.38 48.57,36.38 ; v1(44.88,34.6) 44.88,34.6 44.37,34.6 ; 43.63,34.46 43.22,34.46 ; 52.09,34.62 52.07,34.6 v1(51.56,34.6) ; v1(43.73,21.94) v1(43.73,22.74) ; 52.16,34.6 52.69,34.6 ; U1000.1Y6 U1000.1W6 U1000.1V6 U1000.1U6 ; v1(46.08,34.51) 45.57,34.51 ; 47.33,33.96 47.33,34.56 v1(46.73,34.56) ; 50.92,34.56 50.92,35.76 ; 44.35,36.06 44.03,36.06 ; 46.66,36.4 46.65,36.38 46.1,36.38 ; 41.84,34.65 41.41,34.65 ; 46.45,35.48 46.45,36.03 ; v1(44.33,35.16) 44.33,34.65 v1(44.37,34.6) ; 43.73,35.76 43.73,33.47 ; U1000.1R2 48.77,33.61 48.28,33.61 ; 48.68,36.44 49.05,36.44 ; 41.91,33.37 41.91,33.94 ; U1000.1AB6 U1000.1AB5 ; 53.65,34.83 53.65,34.28 ; 45.47,36.36 45.49,36.38 v1(46.03,36.38) ; 44.95,36.38 45.41,36.38 ; 44.97,34.6 45.48,34.6 ; 46.45,33.63 47,33.63 ; 47.33,35.16 47.33,35.76 v1(46.73,35.76) ; v1(46,39.61) v1(46,40.26) 46,40.26 v1(46,40.91) v1(46,41.56) ; U1000.1U4 U1000.1U3 ; 47.92,46.56 47.92,45.96
  TOP w0.145: U3800.J1 49.25,24.32 49.57,24 49.57,22.52 49.57,22.51 ; v1(52.88,17.89) 52.82,17.84 52.82,17.14 ; v1(43.72,17.79) v1(43.72,17.14) v1(43.72,16.34) ; U3800.G1 50.55,24.34 50.87,24.02 50.87,23.39 v1(50.88,23.39) ; v1(50.22,16.19) v1(50.22,17.14) ; 52.83,23.37 v1(52.83,22.59) ; v1(44.38,24.34) v1(44.38,23.39) ; v1(45.69,18.6) 45.67,18.59 v1(45.67,17.79) ; v1(42.42,23.54) 42.42,22.83
  TOP w0.152: 49.63,43.88 50.17,43.88 ; 46.41,39.85 46.89,39.85 U1000.2F6 ; 35.56,26.8 35.43,26.67 35.43,25.15 ; 35.56,26.8 35.69,26.92 35.69,27.18 ; 35.56,26.8 v1(35.56,23.62) 35.56,18.69 35.95,18.3 ; v1(57.78,19.05) 57.78,19.03 57.12,18.37 v1(56.99,18.37) ; 46.96,45.59 46.49,45.59 ; v1(53.92,44.76) v1(53.92,45.36) 53.32,45.36 ; v1(53.92,44.76) v1(54.53,44.76) 54.82,44.76 54.97,44.91 ; v1(53.92,44.76) 53.32,44.76 53.32,45.36 ; 43.4,43.51 44.7,43.51 ; 46.13,45.36 46.13,46.51 46.15,46.53 ; U1000.1L24 U1000.1K24 45.34,46.86 45.28,46.92 ; 35.69,29.97 35.69,30.45 36.48,31.24 v1(36.48,31.36) ; 52.41,44.07 52.38,44.07 ; 52.38,44.07 51.89,44.07 51.82,44.13 ; 52.38,44.07 51.99,44.46 U1000.1Y20 52.18,44.11 U1000.2P12 ; v1(46.73,45.37) 46.73,45.36 v1(47.33,45.36) ; U1000.2R4 v1(53.15,38.96) ; U1000.2R4 52.58,38.39 52.58,38.31 ; U1000.2R4 53.15,38.31 ; U1000.2R4 52.88,38.68 52.88,39.23 U1000.2R5 v1(53.15,38.96) ; v1(53.15,38.96) 53.15,38.31 53.15,38.31 ; v1(47.33,45.36) 47.92,45.36 47.92,45.96 v1(48.52,45.96) 48.52,45.38 v1(48.5,45.36) 48.52,45.33 48.52,44.76 47.33,44.76 ; v1(47.33,45.36) 47.33,44.76 ; U1000.2C12 U1000.2B12 U1000.2A12 43.2,43.83 43.18,43.81 ; 51.2,43.51 51.2,42.21 ; U1000.1E10 42.52,38.16 41.92,38.16 U1000.1C9 ; U1000.2E6 U1000.2D6 45.6,40.01 45.1,40.01 U1000.2C6 ; U1000.1C13 41.92,39.96 42.53,39.96 U1000.1E13 ; 67.77,36.23 67.76,36.23 v1(67.68,36.31) 66.02,37.97 v1(65.91,37.97) ; U1000.2U7 U1000.2V7 ; U1000.2R7 U1000.2R8 ; 46,42.86 44.7,42.86 ; U1000.2V10 U1000.2V11 ; U1000.2V10 54.77,41.88 ; U1000.2V10 U1000.2U10 ; 44.33,44.76 44.33,45.36 v1(44.93,45.36) ; 46.13,44.76 47.33,44.76 ; 54.48,36.98 54.48,36.38 ; 48.62,26.56 47.93,27.25 47.88,27.25 47.8,27.33 47.62,27.33 v1(47.58,27.38) ; v2(31.12,35.31) 31.12,35.31 v2(30.74,34.93) 30.24,34.43 ; U1000.1E24 U1000.1F24 ; v1(54.97,39.61) v1(54.45,39.61) 54.45,40.94 v1(54.51,40.99) ; U1000.2G4 U1000.2F4 ; 51.58,43.88 52.12,43.88 ; U1000.AL8 62.32,36.41 v1(62.55,36.64) 62.84,36.93 65.3,36.93 v1(65.79,36.45) v1(66.94,35.29) ; 49.9,42.21 49.9,42.86 49.25,42.86 ; 49.9,42.21 50.5,42.21 50.53,42.18 ; 49.9,42.21 49.25,42.21 ; v1(53.15,42.86) v1(53.15,43.51) 53.15,43.98 53.33,44.16 54.53,44.16 ; 42.53,44.7 42.53,45.18 42.35,45.36 41.92,45.36 ; 42.53,44.7 42.53,44.53 42.73,44.32 ; 42.53,44.7 42.77,44.46 42.83,44.46 ; v1(42.52,35.16) 42.52,34.59 42.51,34.57 42.51,34.55 v1(42.48,34.52) ; 50.28,43.88 50.82,43.88 U1000.2M12 U1000.2N12 ; U1000.2V2 U1000.2V1 54.77,36.11 ; U1000.2U3 U1000.2V3 ; 47.65,44.48 48.2,44.48 ; v1(56.55,20.32) v1(56.55,21.46) ; 54.28,46.31 54.28,46.81 ; U1000.2G10 47.37,42.28 ; v1(53.15,40.91) 53.15,41.56 ; U1000.1L21 U1000.1M21 ; U1000.2M9 50.93,41.93 51.47,41.93 U1000.2N9 ; U1000.2M9 50.87,41.88 ; U1000.2M9 U1000.2L9 49.63,41.88 49.6,41.86 ; 48.98,43.88 48.98,43.23 ; 53.15,38.31 54.84,38.31 54.97,38.18 ; U1000.2V5 U1000.2U5 ; v1(53.92,35.16) v1(53.92,34.56) ; U1000.1C16 41.92,41.76 42.53,41.76 U1000.1E16 ; 47.33,44.76 47.33,44.16 ; U1000.2A11 43.43,43.18 43.18,43.43 ; 46.92,39.33 46.92,39.88 ; U1000.2L8 U1000.2L7 ; v1(30.18,38.56) v1(30.68,39.06) ; 53.32,46.56 53.32,45.36 ; U1000.1AB20 U1000.1AC20 U1000.1AD20 U1000.1AE20 ; 53.8,42.21 54.45,42.21 U1000.2V9 54.84,41.82 54.84,41.29 ; U1000.1G20 U1000.1G21 ; 43.78,43.23 44.32,43.23 U1000.2B11 U1000.2C11 ; U1000.2U4 U1000.2V4 ; 46.65,42.21 47.3,42.21 ; 43.13,44.76 43.67,44.76 v1(43.73,44.71) ; v1(47.94,38.96) 47.94,38.96 v1(47.3,38.96) 46.65,38.96 ; 53.05,46.83 53.05,46.28 ; 51.52,34.56 50.92,34.56 ; v1(49.89,39.61) 49.25,39.61 ; U1000.1G24 U1000.1H24 ; 44.09,45.13 44.09,45.59 ; 53.8,40.26 52.5,40.26 ; 54.8,46.28 54.25,46.28 ; v1(46.65,38.31) v1(46.65,38.96) v1(46.65,39.56) 46.6,39.56 46.55,39.61 46,39.61 ; 52.88,41.28 52.88,41.83 ; U1000.2R11 U1000.2R10 52.82,41.88 ; v1(50.32,35.16) 50.92,35.16 ; v1(52.5,42.86) 52.5,42.21 ; 43.73,35.16 v1(44.33,35.16) v1(44.33,35.81) ; v1(57.77,21.46) 57.78,21.45 57.78,20.2 v1(57.77,20.19) 57.77,19.99 ; U1000.1AB24 U1000.1AC24 ; 53.15,42.21 v1(53.15,41.56)
  TOP w0.178: v1(47.91,42.25) 47.95,42.21 v1(48.6,42.21) 48.6,42.21 49.25,42.21 ; v1(53.15,42.86) 53.15,42.21 53.15,42.21 53.8,42.21 ; 44.05,39.61 44.05,38.31 ; v1(44.83,27.74) 45.29,27.74 45.52,27.5 ; 46,44.28 46,42.86 46,42.86 ; 49.25,44.16 49.25,42.21 ; 44.7,42.86 v1(44.7,42.21) v1(44.05,42.21) v1(44.05,40.91) ; 51.85,40.26 v1(51.85,39.61) ; 52.5,42.21 51.85,42.21 51.85,42.21 51.23,42.21 51.21,42.2 ; U1000.2K2 49.26,37.65 ; 49.26,37.65 49.89,37.65 ; 49.26,37.65 48.61,37.65 ; 47.33,44.16 47.3,44.13 47.3,42.86 ; 46.27,41.28 46.27,41.83 ; 43.42,38.29 44.68,38.29 ; v1(45.53,44.76) 46.13,44.76 ; 49.25,42.21 49.25,41.56 ; v1(46.6,42.82) 46.61,42.82 46.65,42.86 47.3,42.86 ; 48.6,40.91 48.6,40.91 47.94,40.91 v1(47.93,40.91) ; 47.92,44.76 47.92,45.36 ; 45.52,27.5 45.52,26.46 v1(45.67,26.31) 45.67,26.24 45.34,25.91 45.24,25.91 45.24,25.9 45.08,25.9 44.79,25.62 44.79,24.75 U3800.T1 ; 45.52,27.5 45.52,27.84 v1(45.63,27.94) ; v1(47.94,38.96) 47.95,38.95 v1(47.95,38.31) v1(47.3,38.31) v1(46.65,38.31) v1(46,38.31) v1(45.35,38.31) v1(44.7,38.31) ; 50.55,40.91 50.55,41.56 ; U1000.2G10 47.37,42.79 ; v1(50.23,25.65) 50.23,25.51 50.61,25.12 50.61,24.72 U3800.G1 ; 47.3,42.86 47.3,42.86 ; v1(44.7,40.26) v1(45.35,40.26) ; v1(50.52,40.88) 50.55,40.86 50.55,40.26 51.2,40.26 ; 50.29,38.05 50.29,38.57 ; 50.29,39.22 50.29,38.7 U1000.2L4 ; v1(46,40.26) 45.35,40.26 ; U1000.1P22 U1000.1P21 ; 53.8,38.31 53.8,38.31 ; v1(44.02,37.01) 44.05,37.03 44.05,37.66 v1(44.02,37.68) ; 51.2,38.31 v1(51.2,38.93) ; 51.2,38.31 53.15,38.31 ; 51.2,38.31 50.55,38.31 50.55,38.31 v1(50.55,38.92) ; v1(53.15,40.91) 53.15,40.26 ; 50.55,38.96 50.55,39.6 v1(50.54,39.61) ; U1000.2M6 50.93,39.98 51.47,39.98 U1000.2N6 ; U1000.1K21 U1000.1L21